# Altium PCB Placa Pot mosfet planar V3.PcbDoc (part 1 of 2) (continued)
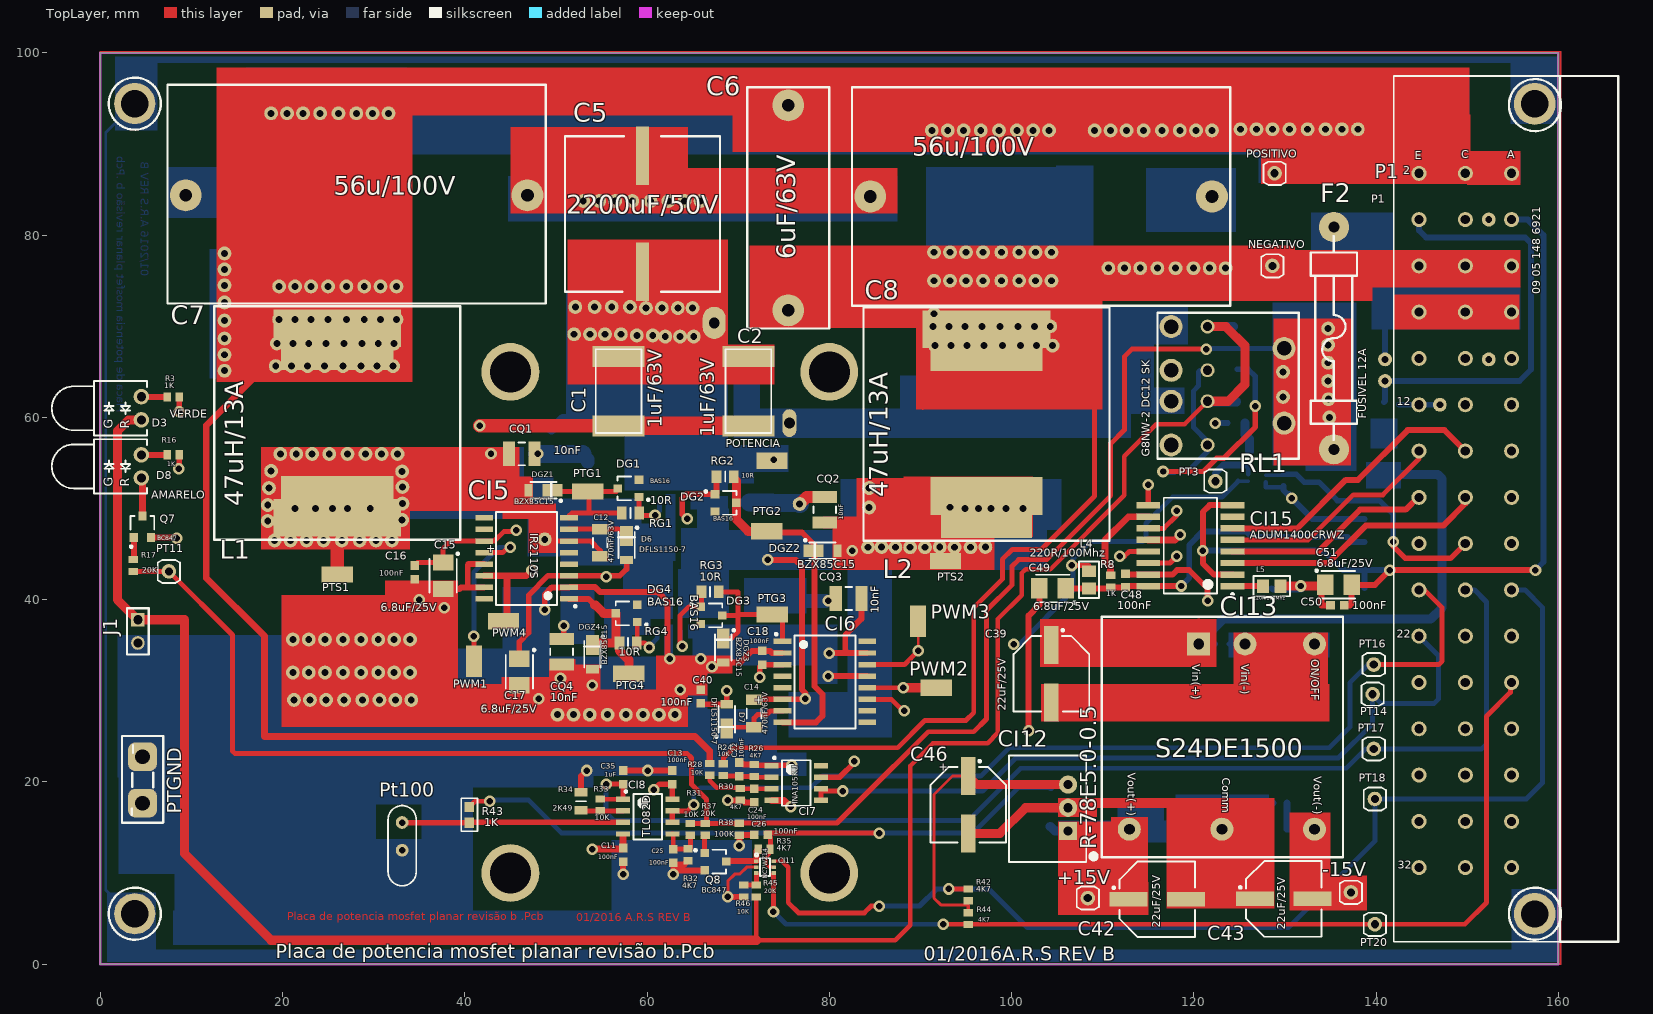
[diagram p0: TopLayer view]
## Components (designator, comment, footprint, x,y, rotation, side; value= is the part's Value field where it differs from the comment) (continued)
PTGND "Teste Point" "TERM FASTON 6.3" 4.625,22.75 r0 top
PTS1 "" "Teste pont" 26,42.75 r0 top
PTS2 "" "Teste pont" 92.75,44.25 r0 top
PWM1 "" "Teste pont" 41,33.25 r90 top
PWM2 "" "Teste pont" 91.75,30.335 r180 top
PWM3 "" "Teste pont" 89.75,37.625 r270 top
PWM4 "" "Teste pont" 44.25,37.625 r0 top
Q1 "SI7898DP" VISHAY-POWERPARK-SO-8-DUAL 63.25,53.375 r90 bottom locked
Q2 "SI7898DP" VISHAY-POWERPARK-SO-8-DUAL 63.025,39.185 r90 bottom locked
Q5 "BC847" SOT-23 124.675,60.55 r180 bottom
Q7 "BC847" SOT-23 4.625,48 r0 top
Q8 "BC847" SOT-23 67.5,11.25 r270 top
R2 "27R" RESC2013X84N 118.855,54 r0 bottom
R3 "1K" RESC1508X63N 8,62.25 r180 top
R6 "4R7" "RESISTOR 4527 2W" 17.125,79.125 r90 bottom
R7 "1K" RESC1508X63N 126.125,55.5 r270 bottom
R8 "1K" RESC1508X63N 110.875,42.025 r90 top (schematic designator R7)
R11 "4R7" "Resistor 4527 2W" 111.5,84.125 r180 bottom
R16 "1K" RESC1508X63N 8,55.895 r0 top
R17 "20K" RESC1508X63N 3.625,43.75 r90 top
R24 "10K" RESC1508X63N 68.375,21.35 r270 top
R26 "4K7" RESC1508X63N 71.75,21.25 r90 top
R28 "10K" RESC1508X63N 66.875,21.375 r270 top
R30 "4K7" RESC1508X63N 70.235,18.625 r270 top
R31 "10K" RESC1508X63N 64.75,14.793 r270 top
R32 "4K7" RESC1508X63N 64.5,12 r270 top
R33 "10K" RESC1508X63N 54.875,17.475 r270 top
R34 "2K49" RESC2013X84N 52.75,17.875 r90 top
R35 "4K7" RESC1508X63N 72.85,12.625 r180 top
R37 "20K" RESC1508X63N 66.375,14.793 r270 top
R38 "100K" RESC1508X63N 70.125,14.8 r90 top
R41 "10K" RESC1508X63N 129.85,53.125 r270 bottom
R42 "4K7" RESC1508X63N 95.25,7.6 r90 top
R43 "1K" "0603 res" 40.5,16.387 r270 top
R44 "4K7" RESC1508X63N 95.25,5 r270 top
R45 "20K" RESC1508X63N 72,8.025 r90 top
R46 "10K" RESC1508X63N 70.625,8.025 r270 top
RG1 "10R" RESC2012X70N 58.175,49.5 r0 top
RG2 "10R" RESC2012X70N 68.575,53.5 r180 top
RG3 "10R" RESC2012X70N 66.925,40.875 r180 top
RG4 "10R" RESC2012X70N 57.925,35.25 r0 top
RL1 "G8NW-2 DC12 SK" "RELAY G8NW" 129.5,66.75 r180 top locked
RQ1 "47R" RESC6331X80N 53.5,57.5 r90 bottom
RQ2 "47R" RESC6331X80N 73.75,53 r90 bottom
RQ3 "47R" RESC6331X80N 75.75,42.25 r90 bottom
RQ4 "47R" RESC6331X80N 54.125,39.5 r0 bottom

## Footprints (in the part's own frame and the unit in brackets; to place one, negate y for a bottom-side part, rotate by r counter-clockwise, add the part's x,y. Pads: shape width x height; smd on the part's side, far side on the other; paste and mask are expansions set on the pad)
"0603 res" [mil]
  rect 45x40 smd: 1(-33.96,0) 2(33.97,0)
  silkscreen extent -71,-35 71,36, body extent -31,-16 31,16, height 17
"0805 ferrit" [mm]
  rect 1.3x1.5 smd: 1(1.9,0) 2(0,0)
  silkscreen extent -1.05,-1.1 2.95,1.1, body extent 0.02,-0.6 2.02,0.6, height 0.95
"Capacito 2824 (7260)" [mm] "Capacitor SMD Polipropileno 1uF/100V case 2824(7260 Metric)"
  rect 2.3x5.7 smd: 1(-3.8,0) 2(3.8,0)
  silkscreen extent -4.6,-2.5 4.6,2.5, body extent -4.12,-2.98 3.07,2.98, height 3.33
"Capacitor B32523" [mm] "Capcitor de polipropileno 6.8uF/100V codigo B32523Q16885K TDK"
  round 3.5 hole 1.4: 1(0,0) 2(22.5,0)
  silkscreen extent -2,-4.5 24.5,4.52, body extent -1.84,-6.21 24.03,5.66, height 23
"Capacitor B32526" [mm] "Capcitor poliprolpileno 56uF/63V codigo B32526T566K  TDK"
  round 3.5 hole 1.4: 1(0,0) 2(37.5,0)
  silkscreen extent -2,-12.12 39.5,11.88, body extent -1.84,-8.91 39.66,9.09, height 32.5
"CAPACITOR ELETROLITICO 18" [mm] "Capacitor de aluminio electrolitico diametro =18 L=19.1 W=19 H=21.5 codigo UCX1V222MNQ1MS"
  rect 1.4x6.4 smd: 1(0,0) 2(0,12.7)
  silkscreen extent -8.5,-2.19 8.5,14.85, body extent -9.5,-3.75 9.5,16.35, height 21.01
CAPAE830X620N [mm] "Capacitor, Aluminium Electrolytric, 8.3mm L X 8.3mm W X 6.2mm H, IPC Medium Density"
  rect 4.15x1.6 smd: 1(-3.15,0) 2(3.15,0)
  silkscreen extent -4.9,-4.15 4.15,4.15, body extent -4.75,-4.25 4.75,4.25, height 6.2
CAPC1608X90N [mm] "Chip Capacitor, Body 1.6x0.8mm IPC Medium Density"
  rect 0.95x0.95 smd: 1(-0.75,0) 2(0.75,0)
  body extent -0.87,-0.47 0.83,0.43, height 0.9
CAPC3216X100N [mm] "Chip Capacitor, Body 3.2x1.6mm, IPC Medium Density"
  rect 1.15x1.8 smd: 1(-1.5,0) 2(1.5,0)
  silkscreen extent -0.55,-0.8 0.55,0.8, body extent -1.7,-0.9 1.7,0.9, height 0.94
CAPC3225X200N [mm] "Chip Capacitor, Body 3.2x2.5mm, IPC Medium Density"
  rect 1.35x2.7 smd: 1(-1.4,0) 2(1.4,0)
  silkscreen extent -0.35,-1.25 0.35,1.25, body extent -1.7,-1.35 1.5,1.35, height 2
CAPMP3528X210N [mm] "Capacitor, Polarized, Molded  Body 3.5x2.8mm, IPC Medium Density"
  rect 1.8x2.25 smd: 1(-1.45,0) 2(1.45,0)
  silkscreen extent -2.52,-1.5 1.85,1.73, body extent -1.85,-1.5 1.85,1.5, height 2.1
COMATEL_332.0600.1.16.541 [mm] "1of 16 \"U\" Pins Strip Terminals Components Support, Pitch 2.54mm"
  round 1.6 hole 0.9: 1(0,0)
  silkscreen extent -1.27,-1.23 1.27,1.23, body extent -1.27,-1.22 1.27,1.23, height 5.7
"conector din eurocard 48" [mm] "Conector eurocard Din 48 pinos codigo 09 05 148 6921 macho"
  round 4.6 hole 3: 33(41.596,-4.669) 34(-47.304,-4.669)
  round 1.65 hole 1: A2(33.976,-2.129) A4(28.896,-2.129) A6(23.816,-2.129) A8(18.736,-2.129) A10(13.656,-2.129) A12(8.576,-2.129) A14(3.496,-2.129) A16(-1.584,-2.129) A18(-6.664,-2.129) A20(-11.744,-2.129) A22(-16.824,-2.129) A24(-21.904,-2.129) A26(-26.984,-2.129) A28(-32.064,-2.129) A30(-37.144,-2.129) A32(-42.224,-2.129) C2(33.976,2.951) C4(28.896,2.951) C6(23.816,2.951) C8(18.736,2.951) C10(13.656,2.951) C12(8.576,2.951) C14(3.496,2.951) C16(-1.584,2.951) C18(-6.664,2.951) C20(-11.744,2.951) C22(-16.824,2.951) C24(-21.904,2.951) C26(-26.984,2.951) C28(-32.064,2.951) C30(-37.144,2.951) C32(-42.224,2.951) E2(33.976,8.031) E4(28.896,8.031) E6(23.816,8.031) E8(18.736,8.031) E10(13.656,8.031) E12(8.576,8.031) E14(3.496,8.031) E16(-1.584,8.031) E18(-6.664,8.031) E20(-11.744,8.031) E22(-16.824,8.031) E24(-21.904,8.031) E26(-26.984,8.031) E28(-32.064,8.031) E30(-37.144,8.031) E32(-42.224,8.031)
  silkscreen extent -50.35,-13.83 44.65,10.8, body extent -50.05,-14.73 43.95,8.37, height 14.05
DIOMELF5025N [mm] "DO-213-AB, MELF Diode, 2-Leads, Body 5.0x2.5mm, IPC Medium Density"
  rect 1.3x2.8 smd: 1(2.35,0) 2(-2.35,0)
  silkscreen extent -1.3,-1.35 1.3,1.35, body extent -2.6,-1.33 2.6,1.34, height 2.67
"FUSIVEL 5X20 PF-B6" [mil]
  round 130 hole 47.24: 1(0,0) 2(0,960)
  silkscreen extent -100,40 100,920, body extent -98,-20 98,980, height 216
FUSR_BOURNS_MF-R_STYLE4 [mm] "PTC Resettable Fuse, MF-R Series, Case style 4"
  round 1.4 hole 0.711: 1(-2.54,0) 2(0.5,0)
  silkscreen extent -4.4,-1.55 4.4,1.55, body extent -4.38,-1.55 4.38,1.55, height 8.3
FUSR_LITTELFUSE_1206L012 [mm] "Surface Mount POLY-FUSE® Resettable PTC, 1206L Series"
  rect 1x1.8 smd: 1(-1.4,0) 2(1.4,0)
  silkscreen extent -0.6,-0.9 0.6,0.9, body extent -1.75,-0.9 1.75,0.9, height 1.45
IHLP-6767GZ#1 [mm] "Indutor SMD de 47uH 10A Vishay"
  rect 4.14x14 smd: 1(-2.512,0) 2(18.288,0)
  rect 4.14x12.32 smd: 1(0,0) 2(15.776,0)
  silkscreen extent -4.91,-13.5 20.69,13.5, body extent -0.92,-8.54 16.26,8.63, height 6.79
IHLP-6767GZ#2 [mm] "Indutor SMD de 47uH 10A Vishay"
  rect 4.14x10 smd: 1(-2.512,0)
  rect 4.14x12.32 smd: 1(0,0) 2(15.776,0)
  rect 4.14x14 smd: 2(18.288,0)
  silkscreen extent -4.91,-13.5 20.69,13.5, body extent -0.92,-8.54 16.26,8.63, height 6.79
JUMP [mm]
  rect 1.5x1.5 hole 1: 1(0,0)
  round 1.5 hole 1: 2(0,-2.54)
  silkscreen extent -1.2,-3.81 1.2,1.27, body extent -1.26,-3.84 1.19,1.24, height 8
L1210R [mm] "Indutor SMD 10uH 1A codigo L1210R100MDWIT Kemet"
  rect 0.524x2.524 smd: 1(0,0) 2(2.66,0)
  body extent -0.23,-1.25 2.97,1.25, height 1.9
LED_DIALIGHT_550-3005F [mm] "Single 5mm Bi-color Red/Green LED, Body 5.84x6.1mm (Square Back Housing), Leads Spacing 2.54mm"
  round 1.7 hole 1: 1(0,-1.27) 2(0,1.27)
  silkscreen extent -9.83,-2.98 0.64,2.98, body extent -9.83,-2.98 0.64,2.98, height 5.97
PAD [mm] "Pad para prender dissipador"
  round 6.34 hole 4.5: 1(0,0)
  body extent -3.17,-3.15 3.17,3.18, height 1.2
"R1SE Series" [mm] "8-SMD Module (5 Leads)"
  rect 1.8x1.2 smd paste-5 mask-5: 1(-5.1,3.81) 2(-5.1,1.27) 4(-5.1,-3.81) 5(5.1,-3.81) 8(5.1,3.81)
  silkscreen extent -6.51,-6.5 5.4,6.5, body extent -5.55,-6.37 5.55,6.38, height 7
"RELAY G8NW" [mm] "Relay 2 contatos High sensitivity 30A OMIRON"
  round 2.524 hole 1.6: 1(-0.411,-0.822) 3(11.989,-3.222) 4(11.989,1.578) 6(-0.411,7.378) 8(11.989,4.978) 9(11.989,9.778)
  round 1.524 hole 1: 2(7.989,-3.222) 5(7.989,1.578) 7(7.989,4.978) 10(7.989,9.778)
  silkscreen extent -2.01,-4.72 13.49,11.28, body extent -1.26,-4.44 12.74,10.96, height 13.5
RESC1508X63N [mm] "Chip Resistor, EIA 0603, Metric 1608, Body 1.5x0.8mm, IPC Medium Density"
  rect 0.8x1.02 smd: 1(-0.65,0) 2(0.65,0)
  body extent -0.76,-0.42 0.76,0.43, height 0.63
RESC2012X70N [mm] "Chip Resistor, EIA 0805, Metric 2012, Body 2.0x1.25mm, IPC Medium Density"
  rect 1.05x1.4 smd: 1(-0.95,0) 2(0.95,0)
  silkscreen extent 0,-0.55 0,0.55, body extent -1.1,-0.67 1.1,0.68, height 0.7
RESC2013X84N [mm] "Chip Resistor, EIA 0805, Metric 2013, Body 2.03x1.27mm, IPC Medium Density"
  rect 0.95x1.45 smd: 1(-1,0) 2(1,0)
  silkscreen extent 0,-0.55 0,0.55, body extent -1.02,-0.63 1.02,0.64, height 0.84
RESC6331X80N [mm] "Chip Resistor, EIA 2512, Metric 6331, 2-Leads, Body 6.3x3.1mm, IPC Medium Density"
  rect 2.45x3.3 smd: 1(-2.4,0) 2(2.4,0)
  silkscreen extent -0.8,-1.55 0.8,1.55, body extent -3.25,-1.65 3.25,1.65, height 0.8
"RESISTOR 4527 2W" [mm] "Resistor smd 4527 3W (L=11.50 W=7.0 H=4.24mm)"
  rect 3.524x5.924 smd: 1(-5.25,0) 2(5.25,0)
  silkscreen extent -7.24,-3.68 7.24,3.56, body extent -6.03,-3.55 6.03,3.55, height 4.48
"Resistor 4527 2W" [mm] "Resistor smd 4527 3W (L=11.50 W=7.0 H=4.24mm)"
  rect 3.524x5.924 smd: 1(-5.25,0) 2(5.25,0)
  silkscreen extent -7.24,-3.68 7.24,3.56, body extent -6.03,-3.55 6.03,3.55, height 4.48
S24DE15001NDFA [mm] "Isolador dc/dc 30W com saida +/-15V"
  rect 2.524x2.524 hole 1.2: 1(0,0)
  round 2.524 hole 1.2: 2(0,5.08) 3(0,12.7) 4(20.32,12.7) 5(20.32,2.54) 6(20.32,-7.62)
  silkscreen extent -3,-10.66 23.4,15.83, body extent -2.29,-10.06 23.11,15.34, height 10.2
SC70-6 [mm] "Encapsualmento SC70 or sot 363"
  rect 0.5x0.4 smd: 1(0,0) 2(0,-0.65) 3(0,-1.3) 4(1.9,-1.3) 5(1.9,-0.65) 6(1.9,0)
  silkscreen extent -0.16,-1.63 1.51,0.85, body extent -0.19,-1.69 2.11,0.41, height 1
SIP3 [mm]
  rect 2x2 hole 1: 1(0,0)
  round 2 hole 1: 2(0,2.54) 3(0,5.08)
  silkscreen extent -6.5,-3.43 3.08,8.25, body extent -5.39,-3.21 2.16,8.29, height 10.25
SOD-123FL [mm] "Small Outline Diode Flat Lead (SOD-123FL), Body; 2.70mm L X 1.65mm W X 1.0mm H"
  rect 0.91x1.4 smd: 1(1.64,0)
  rect 2.2x1.4 smd: 2(-1,0)
  silkscreen extent -2.02,-0.9 1.45,1.28, body extent -1.75,-0.9 1.75,0.9, height 1
SOIC16_Wb [mm]
  rect 2.6x0.7 smd: 1(-4.625,4.445) 2(-4.625,3.175) 3(-4.625,1.905) 4(-4.625,0.635) 5(-4.625,-0.635) 6(-4.625,-1.905) 7(-4.625,-3.175) 8(-4.625,-4.445) 9(4.625,-4.445) 10(4.625,-3.175) 11(4.625,-1.905) 12(4.625,-0.635) 13(4.625,0.635) 14(4.625,1.905) 15(4.625,3.175) 16(4.625,4.445)
  silkscreen extent -4.75,-5.25 2.93,5.47, body extent -5.31,-5.25 5.32,5.25, height 2.67
SOIC127P600X175-8N [mm] "SOIC 8, Pitch 1.27mm - Body 4x5mm, IPC Medium Density"
  rect 1.55x0.6 smd: 1(-2.7,1.905) 2(-2.7,0.635) 3(-2.7,-0.635) 4(-2.7,-1.905) 5(2.7,-1.905) 6(2.7,-0.635) 7(2.7,0.635) 8(2.7,1.905)
  silkscreen extent -2.52,-2.5 1.55,2.88, body extent -3.1,-2.5 3.1,2.5, height 1.75
SOIC127P1031X264-16N [mm] "SOIC, 1.27mm Pitch;16 Pin, 7.49mm W X 10.21mm L X 2.64mm H body, IPC Medium Density"
  rect 1.95x0.6 smd: 1(-4.65,4.445) 2(-4.65,3.175) 3(-4.65,1.905) 4(-4.65,0.635) 5(-4.65,-0.635) 6(-4.65,-1.905) 7(-4.65,-3.175) 8(-4.65,-4.445) 9(4.65,-4.445) 10(4.65,-3.175) 11(4.65,-1.905) 12(4.65,-0.635) 13(4.65,0.635) 14(4.65,1.905) 15(4.65,3.175) 16(4.65,4.445)
  silkscreen extent -5.48,-5.1 3.35,5.37, body extent -5.21,-5.15 5.21,5.15, height 2.65
SOT-23 [mm] "SOT-23; 3 Leads; Body 3.1 x 2.5 mm, inc. leads (LxW max)"
  rect 0.9x0.95 smd: 1(-0.95,-1.175) 2(0.95,-1.175) 3(0,1.175)
  silkscreen extent -1.37,-2.31 1.3,1.18, body extent -1.5,-1.25 1.5,1.25, height 1.09
"TERM FASTON 6.3" [mil]
  rrect50% 124x124 hole 62.99: 1(0,-200) 1(0,0)
  silkscreen extent -88,-285 89,90, body extent -19,-257 20,58, height 418
"Teste pont" [mm] "Ponto de teste  Kesystone codigo 5015"
  rect 3.43x1.78 smd: 1(0,0)
  body extent -1.28,-0.55 1.28,0.45, height 1.5
VISHAY-POWERPARK-SO-8-DUAL [mm] "SOIC, 1.27mm Pitch, 8 Pin, Body 5.89mm W X 4.9mm L X 1.12mm H, PowerPAK® SO-8, (DUAL)"
  rect 1.27x0.61 smd: 1(-2.67,1.905) 2(-2.67,0.635) 3(-2.67,-0.635) 4(-2.67,-1.905) 5(2.67,-1.905) 6(2.67,-0.635) 7(2.67,0.635) 8(2.67,1.905)
  rect 3.81x1.65 smd: D1(0.69,-1.15) D2(0.69,1.15)
  silkscreen extent -2.82,-2.45 1.64,3.05, body extent -3.12,-2.54 3.13,2.54, height 1.12
VISHAY_POWERPAK-SO-8-SINGLE [mm] "SOIC, 1.27mm Pitch, 8 Pin, Body 5.89mm W X 4.9mm L X 1.12mm H, PowerPAK® SO-8, (SINGLE)"
  rect 3.81x3.91 smd: 1(0.69,0)
  rect 1.27x0.61 smd: 1(2.67,-1.905) 1(2.67,-0.635) 1(2.67,0.635) 1(2.67,1.905) 2(-2.67,-1.905) 2(-2.67,-0.635) 2(-2.67,0.635) 2(-2.67,1.905)
  silkscreen extent -2.82,-2.45 1.64,3.05, body extent -3.12,-2.54 3.13,2.54, height 1.12

## Part data
+15V -15V NEGATIVO POSITIVO POTENCIA PT3 PT11 PT14 PT16 PT17 PT18 PT20 PTG1 PTG2 PTG3 PTG4 PTGND PTS1 PTS2 PWM1 PWM2 PWM3 PWM4: library part Teste, "TEST POINT PRINTED CIRCUIT PIN"
C1 C2: library part Cap, "CAP FILM 1UF 63VDC SMD"
C5: library part 94SS337X0010FBP, "CAP ALUM 2200UF 50V 20% RADIAL"
C6: library part Cap, "CAP FILM 6.8UF 63VDC RADIAL"
C7 C8: library part Cap, "CAP FILM 56UF 100VDC RADIAL"
C11 C13 C16 C18 C22 C24 C25 C26 C28 C34 C35 C38 C40 C44 C47 C48 C50: library part CDR01, "CAP CER 0.1UF 50V Y5V 0603"
C12 C14: library part Cap, "CAP FILM 0.47UF 63VDC RADIAL"
C15 C17 C27 C33 C49 C51: library part T492A, "CAP TANT 10UF 25V 20% 1210"
C39 C42 C43 C46: library part T491B, "Solid Tantalum Chip Capacitor, Standard T491 Series - Industrial Grade"
CI5 CI6: "High and Low Side Driver"
CI7: "Precision Unity Gain Differential Amplifier"
CI8: "JFET-Input Operational Amplifier"
CI10: library part SN5417J, "IC BUFFER DUAL NON-INV SC706"
CI11: library part SN5417J, "IC BUFFER DUAL INV SC706"
CI12: "CONV DC/DC 5V 500MA OUT THRU"
CI13: library part "DCDC_TRACO_TEN15WI_Dual Output", "TRACO, TEN15WI Serie, Dual Output DCDC Converter"
CI14: "DC/DC CONVERTER 1W 5VIN 5VOUT"
CI15: "DGTL ISO 2.5KV GEN PURP 16SOIC"
CQ1 CQ2 CQ3 CQ4: library part Cap, "CAP FILM 10000PF 100VDC 1210"
D1: library part "Diode 18TQ045", "DIODE SCHOTTKY 200V 45A TO247"
D2: library part "Diode 1N4007", "1 Amp General Purpose Rectifier"
D3 D8: library part LED0, "Typical INFRARED GaAs LED"
D6 D7: library part "Diode 1N4001", "DIODE SCHOTKY 100V 250MA SOD123F"
DG1 DG2 DG3 DG4: library part "Diode BAS16", "Silicon Switching Diode for High-Speed Switching"
DGZ1 DGZ2 DGZ3 DGZ4: library part "Diode 11DQ03", "Diodo Zener BZX85C15"
DQ1: library part "Diode 1N4001", "DIODE SCHOTKY 150V 1A POWERDI123"
DQ2 DQ3 DQ4: library part "Diode 1N4001", "1 Amp General Purpose Rectifier"
F1 F3: library part "Fuse 1", "FUSE 12A 24V FAST SMD 1206"
F2: library part "FUSIVEL AXIAL 5x20 - 0,1 A (ACAO RAPIDA) PF-B6", "FUSIVEL AXIAL 5x20 - 0,1 A (ACAO RAPIDA) PF-B6"
J1: "Header, 2-Pin"
L1: library part "Inductor Iron", "INDUCTOR FERRITE SMD  47UH 13A"
L2: library part "Inductor Iron", "INDUCTOR FERRITE  47UH 13A"
L3: library part "Inductor With Magnetic core", "Inductor With Magnetic core"
L4 L5: library part "Ferrite Bead 0805", "FERRITE CHIP 220 OHM 0805"
P1: library part "09 05 248 7851", "Eurocard DIN 41612, Type E, 48 Postion, Rows a+c+e, Performance level 3, Female, Lead 11.5 mm, Pitch 5.08 mm"
Pt100: library part Res2, "Resistor PT100"
Q1 Q2: library part SI7938DP, "40V DUAL N CHANNEL POWER TRENCH MOSFET"
Q5 Q7 Q8: "TRANS NPN GP 100MA 45V SOT23"
R2: library part Res2, "RES 27.0 OHM 1/8W 1% 0805 SMD"
R3 R7 R8 R16: library part Res2, "RES 1K OHM 1/8W 1% 0603 SMD"
R6: library part Res2, "RES 4.70 OHM 3W 5% SMD 4122"
R11: library part Res2, "RES 4.70 OHM 3W 5% SMD"
R17: library part Res2, "RES 20KOHM 1/8W 1% 0805 SMD"
R24 R28 R31 R41 R46: library part Res2, "RES 10K OHM 1/8W 1% 0603 SMD"
R26: library part Res2, "RES 4K7OHM 1/8W 1% 0603 SMD"
R30 R32 R35 R42 R44: library part Res2, "RES 4K7 OHM 1/8W 1% 0603 SMD"
R33: library part Res2, "RES 10KOHM 1/8W 1% 0805 SMD"
R34: library part Res2, "RES 2K49 OHM 1/8W 1% 0805 SMD"
R37: library part Res2, "RES 20K OHM 1/8W 1% 0603 SMD"
R38: library part Res2, "RES 100K OHM 1/8W 1% 0603 SMD"
R43: library part Res2, "RES1K OHM 1/8W 1% 0603 SMD"
R45: library part Res2, "RES 20k OHM 1/8W 1% 0603 SMD"
RG1 RG2 RG3 RG4: library part Res2, "RES 10.0 OHM 1/8W 1% 0805 SMD"
RL1: library part "RELAY 2 CON 30A", "RELAY AUTOMOTIVE SPDT 30A 12V"
RQ1 RQ2 RQ3 RQ4: library part Res2, "RES TF 1.5W 47 OHM 10% 2512"

## Free pads (board coordinates)
  round 4.524 hole 3: 0(3.781,5.537) 0(3.781,94.437)
  round 1.524 hole 0.762: 0(141,64) 0(152.375,66.375) 1(152.375,81.711) 2(141,66.375) 3(48.775,46.625) 4(52.125,72.125) 5(54.25,72.125) 6(56.125,72.125) 7(58.125,72.125) 8(59.875,72) 9(61.625,72) 10(63.375,72) 11(65,72) 13(52,69.125) 14(53.75,69.125) 15(55.375,69.125) 16(57.125,69.125) 17(58.875,69) 18(60.625,69) 19(62,68.875) 20(63.625,68.875) 21(65.125,68.875) 24(84.375,52.25) 25(84.375,50.125) 27(84.25,45.75) 28(85.75,45.776) 29(87.25,45.75) 30(88.875,45.75) 31(90.5,45.75) 32(92.125,45.776) 33(93.75,45.75) 34(95.5,45.75) 35(97.125,45.776) 36(93.25,50.14) 37(94.875,50) 38(96.375,50) 39(97.75,50) 40(99.375,50) 41(101.25,50) 42(18.75,54.125) 43(18.5,52.25) 44(18.375,50.375) 45(18.375,48.625) 46(21.375,50) 47(33.125,54.065) 48(33.153,52.375) 49(33.153,50.549) 50(33.125,48.75) 51(29.625,50) 52(23.625,50) 53(25.5,50) 54(27.125,50) 55(13.625,78) 55(18.75,93.375) 55(19.125,46.5) 55(19.25,65.625) 55(19.375,68.125) 55(19.625,70.75) 55(19.625,74.375) 55(19.75,56) 55(34,32) 55(34,35.625) 55(34.125,29) 55(53,83.75) 55(63.05,27.375) 55(91.25,91.5) 55(91.375,70) 55(91.5,75) 55(91.5,78.125) 55(91.625,67.875) 55(109.125,91.5) 55(110.625,76.375) 55(125.125,91.625) 55(129.799,62.25) 56(13.625,76.25) 56(20.5,93.375) 56(20.875,46.5) 56(21,65.625) 56(21.125,68.125) 56(21.375,70.75) 56(21.375,74.375) 56(21.5,56) 56(32.25,32) 56(32.25,35.625) 56(32.375,29) 56(54.75,83.75) 56(61.3,27.375) 56(93,91.5) 56(93.125,70) 56(93.25,75) 56(93.25,78.125) 56(93.375,67.875) 56(110.875,91.5) 56(112.375,76.375) 56(126.875,91.625) 56(129.799,65) 57(13.625,74.5) 57(22.25,93.375) 57(22.625,46.5) 57(22.75,65.625) 57(22.875,68.125) 57(23.125,70.75) 57(23.125,74.375) 57(23.25,56) 57(30.5,32) 57(30.5,35.625) 57(30.625,29) 57(56.5,83.75) 57(59.55,27.375) 57(94.75,91.5) 57(94.875,70) 57(95,75) 57(95,78.125) 57(95.125,67.875) 57(112.625,91.5) 57(114.125,76.375) 57(128.625,91.625) 57(134.875,60) 58(13.625,72.625) 58(24.125,93.375) 58(24.5,46.5) 58(24.625,65.625) 58(24.75,68.125) 58(25,70.75) 58(25,74.375) 58(25.125,56) 58(28.625,32) 58(28.625,35.625) 58(28.75,29) 58(57.675,27.375) 58(58.375,83.75) 58(96.625,91.5) 58(96.75,70) 58(96.875,75) 58(96.875,78.125) 58(97,67.875) 58(114.5,91.5) 58(116,76.375) 58(130.5,91.625) 58(134.75,64) 59(13.625,70.625) 59(26.125,93.375) 59(26.5,46.5) 59(26.625,65.625) 59(26.625,32) 59(26.625,35.625) 59(26.75,29) 59(26.75,68.125) 59(27,70.75) 59(27,74.375) 59(27.125,56) 59(55.675,27.375) 59(60.375,83.75) 59(98.625,91.5) 59(98.75,70) 59(98.875,75) 59(98.875,78.125) 59(99,67.875) 59(116.5,91.5) 59(118,76.375) 59(132.5,91.625) 59(134.75,66) 60(13.625,68.66) 60(24.66,32) 60(24.66,35.625) 60(24.785,29) 60(28.09,93.375) 60(28.465,46.5) 60(28.59,65.625) 60(28.715,68.125) 60(28.965,70.75) 60(28.965,74.375) 60(29.09,56) 60(53.71,27.375) 60(62.34,83.75) 60(100.59,91.5) 60(100.715,70) 60(100.84,75) 60(100.84,78.125) 60(100.965,67.875) 60(118.465,91.5) 60(119.965,76.375) 60(134.465,91.625) 60(134.75,67.965) 61(13.625,66.875) 61(22.875,32) 61(22.875,35.625) 61(23,29) 61(29.875,93.375) 61(30.25,46.5) 61(30.375,65.625) 61(30.5,68.125) 61(30.75,70.75) 61(30.75,74.375) 61(30.875,56) 61(51.925,27.375) 61(64.125,83.75) 61(102.375,91.5) 61(102.5,70) 61(102.625,75) 61(102.625,78.125) 61(102.75,67.875) 61(120.25,91.5) 61(121.75,76.375) 61(134.75,69.75) 61(136.25,91.625) 62(13.625,65.125) 62(21.125,32) 62(21.125,35.625) 62(21.25,29) 62(31.625,93.375) 62(32,46.5) 62(32.125,65.625) 62(32.25,68.125) 62(32.5,70.75) 62(32.5,74.375) 62(32.625,56) 62(50.175,27.375) 62(65.875,83.75) 62(104.125,91.5) 62(104.25,70) 62(104.375,75) 62(104.375,78.125) 62(104.5,67.875) 62(122,91.5) 62(123.5,76.375) 62(134.786,62) 62(138,91.625) 63(91.5,71.375) 64(147,61.391) 66(76.75,50.5)
  oval 2.524x3.524 hole 1.2: 22(67.375,70.375)
  oval 1.524x3.052 hole 1.2: 67(75.625,59.372)

## Via types
v1: diameter 1.27, hole 0.711, TopLayer to BottomLayer, 79 vias

## Nets (pads, with @x,y where several pads share a name; then routed paths per layer and width w, separated by ;. In a path a pad name is that pad's centre, name@x,y a point inside that pad or via, vN(x,y) a via of type N, cw(c..) or ccw(c..) an arc to the next point about the centre after c; other vN are vias at no path point)
+5V: C15.1 C16.1 C26.1 C46.1 C47.1 CI5.11 CI6.11 CI10.5 CI11.5 CI12.3 L4.1 R35.1 R42.1 R43.1 R44.1 | length 176.9
  TopLayer w0.34: R35.1@73.5,12.625 73.5,12.125 73.125,11.75 73.125,10.875 73.35,10.65 CI11.5@73.9,10.65 ; R44.1@95.25,5.65 95.25,6.5 92.25,6.5 91.5,7.25 91.5,18.625 93.525,20.65 C46.1@95.25,20.65
  TopLayer w0.54: C16.1@34.5,43.75 34.825,44.075 C15.1@37.625,44.075 37.625,45.625 38.435,46.435 CI5.11@42.125,46.435 43.25,46.435 44.315,47.5 45.5,47.5 v1(45.625,47.625) ; R43.1@40.5,17.25 41.125,17.875 v1(42.75,17.875) ; R35.1@73.5,12.625 73.55,12.675 73.55,13.884 C26.1@73.25,14.184 73.059,14.375 v1(85.5,14.375) ; CI6.11@84.175,29.065 86.81,29.065 v1@88.375,27.5 ; v1(106.625,43.75) 108.475,43.75 108.5,43.725 L4.1@108.5,43.125 L4.1@108.375,43.25
  TopLayer w1: C46.1@95.25,20.65 96.195,19.705 CI12.3@106.206,19.705
  BottomLayer w0.34: 124.875,53 CI10.5@126,53
  BottomLayer w0.54: v1@42.625,18 47,18 50.595,14.405 85.47,14.405 v1(85.5,14.375) ; v1@85.4,14.25 85.525,14.375 95.755,14.375 100.735,19.355 104.145,19.355 C47.1@104.25,19.25 104.375,19.25 104.83,19.705 CI12.3@106.206,19.705 ; v1@100.125,35.125 v1(100.25,35.125) 100.875,35.125 106.75,41 106.75,44.5 108.625,46.375 114.375,46.375 114.75,46.75 114.75,48.362 117.638,51.25 123.125,51.25 124.875,53
  other v1: 88.25,27.795
+15V: +15V.1 C13.2 C17.1 C18.1 C27.1 C28.1 C40.1 C42.1 C44.1 CI5.3 CI6.3 CI7.7 CI8.8 CI12.1 CI13.6 D2.2 D6.1 D7.1 R2.1 R3.1 R16.2 | length 74.2
  TopLayer w0.6: v1(8.625,54.375) 8.65,54.4 R16.2@8.65,55.895 ; v1(8.65,60.625) R3.1@8.65,62.25 ; C17.1@46,33.5 C17.1@46,33.525 46,35.375 47,36.375 47,40.48 49.145,42.625 CI5.3@51.425,42.625 55.25,42.625 v1@55.25,42.375 ; v1@55.625,42.625 57.02,42.625 57.75,43.355 D6.1@57.75,44.36 ; v1(60.75,19.125) 61.375,19.75 C13.2@62.75,19.75 62.75,18.119 CI8.8@62.775,18.094 ; C40.1@65.75,28.5 65.765,28.515 D7.1@68.75,28.515 v1(68.75,30) ; v1(72.375,31.5) 72.375,32.625 C18.1@72.625,32.875 CI6.3@74.875,32.875 ; CI7.7@79.075,20.51 81.135,20.51 v1@82.813,22.188 ; +15V.1@108.375,7.25 108.5,7.125 C42.1@112.85,7.125 ; v1(116.625,54.065) 121.065,54.065 122.5,55.5 123.275,55.5 126.75,58.975 v1(126.75,61.25)
  BottomLayer w0.6: CI13.6@112.925,14.805 112.98,14.75 C27.1@116.1,14.75 C27.1@116.25,14.9 ; v1(116.625,54.065) 116.69,54 R2.1@117.855,54 ; D2.2@124.75,65.275 125.975,65.275 126.75,64.5 v1(126.75,61.25)
  BottomLayer w1: C44.1@104.25,15.125 104.75,14.625 CI12.1@106.206,14.625 ; C27.1@116.25,14.9 C28.1@116.25,17.75
  other v1: 82.75,22.25 55.5,42.5
"+15V POTENCIA": F1.2 F2.2 P1.A8 P1.C8 P1.E8 pad.2 | length 3.6
  BottomLayer w0.65: pad.2@141,66.125 pad.2@141,66.375 141,69.75
-15V: -15V.1 C11.1 C33.2 C34.2 C43.2 CI7.4 CI8.4 CI13.4 | length 17.6
  TopLayer w0.754: v1(54,12.625) 57.25,12.625 C11.1@57.375,12.75 CI8.4@57.375,14.093 ; CI7.4@73.675,17.97 75.03,17.97 v1(75.75,17.25) ; C43.2@133.025,7.165 136.54,7.165 -15V.1@137.25,7.875
  BottomLayer w0.754: C34.2@130.25,17.67 130.25,14.855 C33.2@130.2,14.805 CI13.4@133.245,14.805
DC_LINK: CI8.6 CI8.7 P1.E20 PT16.1 | length 105.4
  TopLayer w0.54: CI8.7@62.775,16.824 64.449,16.824 v1(65.125,17.5) ; PT16.1@139.75,32.875 146.875,32.875 147.25,33.25 147.25,39.125 145.304,41.071 P1.E20@144.719,41.071
  TopLayer w0.6: CI8.6@62.775,15.554 CI8.7@62.775,16.824
  BottomLayer w0.54: v1(65.125,17.5) 65.125,18.625 65.855,19.355 77.98,19.355 79.25,20.625 96.625,20.625 99.75,23.75 134.875,23.75 137.125,26 137.125,30.875 139.125,32.875 PT16.1@139.75,32.875 PT16.1@139.875,32.875
"DC_LINK  LIGADA": CI11.4 P1.A24 PT20.1 R44.2 | length 109.3
  TopLayer w0.54: v1(73.875,5.75) 73.875,8.725 73.85,8.75 73.9,8.8 CI11.4@73.9,9.875 ; v1(92.5,4.375) PT20.1@139.875,4.375 149.75,4.375 152.125,6.75 152.125,27.196 154.75,29.821 154.75,30.782 P1.A24@154.879,30.911
  BottomLayer w0.54: v1(73.875,5.75) 75.25,4.375 v1(92.5,4.375)
"ENTRADA 15 FONTE": F3.1 P1.E4 P1.E12 pad.0@141,64 pad.64 | length 51.3
  BottomLayer w0.65: F3.1@140.875,61.675 141,61.8 141,63.875 141.125,64 155.75,64 157,65.25 157,79.125 156.375,79.75 145.5,79.75 144.719,80.531 P1.E4@144.719,81.711 ; 142.5,61.391 P1.E12@144.719,61.391 146.859,61.391 pad.64@147,61.25
FUSIVEL: F1.1 F2.1 pad.55@129.799,62.25 pad.56@129.799,65 pad.57@134.875,60 pad.58@134.75,64 pad.59@134.75,66 pad.60@134.75,67.965 pad.61@134.75,69.75 pad.62@134.786,62 PT11.1 R17.1 R31.1 R37.1 R38.2 RL1.1 RL1.6 | length 188.1
  TopLayer w0.54: R17.1@3.625,43.1 PT11.1@7.525,43.1 14.5,36.125 14.5,23.375 14.75,23.125 64.375,23.125 64.875,22.625 64.875,19.737 66.53,18.082 66.53,15.598 R37.1@66.382,15.45 ; R31.1@64.75,15.443 R37.1@66.375,15.443 R37.1@66.382,15.45 ; v1(121.375,67.5) 113.2,67.5 112.375,66.675 112.375,58.625 110.875,57.125 110.875,51.401 103.874,44.4 100.775,44.4 100.062,43.687 100.062,41.63 97.25,38.817 97.25,26.9 95.85,25.5 90.875,25.5 87.125,21.75 87.1,21.75 80.845,15.495 70.17,15.495 R38.2@70.125,15.45 R37.1@66.382,15.45
  BottomLayer w0.54: v1(121.375,67.5) 121.447,67.572 RL1.1@129.911,67.572
GND: C1.2 C2.2 C5.2 C7.1 C8.2 C11.2 C13.1 C15.2 C16.2 C17.2 C18.2 C22.1 C24.2 C25.2 C26.2 C27.2 C28.2 C33.1 C34.1 C35.2 C40.2 C42.2 C43.1 C44.2 C46.2 C47.2 C48.2 C49.2 CI5.2 CI5.13 CI5.15 CI6.2 CI6.13 CI6.15 CI7.1 CI10.2 CI10.3 CI11.2 CI12.2 CI13.5 CI14.1 CI15.9 CI15.15 CQ3.1 CQ4.1 DGZ3.1 DGZ4.1 J1.2 P1.A10 P1.C10 pad.0@152.375,66.375 pad.55@34,32 pad.55@34,35.625 pad.55@34.125,29 pad.55@53,83.75 pad.55@63.05,27.375 pad.56@32.25,32 pad.56@32.25,35.625 pad.56@32.375,29 pad.56@54.75,83.75 pad.56@61.3,27.375 pad.57@30.5,32 pad.57@30.5,35.625 pad.57@30.625,29 pad.57@56.5,83.75 pad.57@59.55,27.375 pad.58@28.75,29 pad.58@28.625,32 pad.58@28.625,35.625 pad.58@57.675,27.375 pad.58@58.375,83.75 pad.59@26.75,29 pad.59@26.625,32 pad.59@26.625,35.625 pad.59@55.675,27.375 pad.59@60.375,83.75 pad.60@24.66,32 pad.60@24.66,35.625 pad.60@24.785,29 pad.60@53.71,27.375 pad.60@62.34,83.75 pad.61@22.875,32 pad.61@22.875,35.625 pad.61@23,29 pad.61@51.925,27.375 pad.61@64.125,83.75 pad.62@21.25,29 pad.62@21.125,32 pad.62@21.125,35.625 pad.62@50.175,27.375 pad.62@65.875,83.75 Pt100.2 PTGND.1 Q2.1 Q2.3 Q5.2 Q7.2 Q8.2 R26.2 R30.2 R32.2 R34.2 R38.1 R41.2 R46.2 | length 233
  TopLayer w0.34: v1(68.875,7.375) 68.875,9.125 69.625,9.875 70.155,9.875 70.93,10.65 CI11.2@72,10.65
  TopLayer w0.65: Q7.2@5.575,46.825 8.3,46.825 v1(8.375,46.75) ; C16.2@34.5,42.25 34.5,41 ; v1(35,40) 35,40.5 34.5,41 ; v1(37.75,39.125) 37.625,39.25 C15.2@37.625,41.175 ; CI5.15@42.125,41.355 40.25,41.355 ; CI5.13@42.125,43.895 40.395,43.895 40.325,43.825 40.325,41.43 40.25,41.355 ; C17.2@46,30.625 46,29.44 46.315,29.125 v1(48.125,29.125) ; v1(48.775,38.875) 48.775,40.575 49.555,41.355 CI5.2@51.425,41.355 51.48,41.41 54.265,41.41 54.855,40.82 61.23,40.82 62.25,39.8 62.25,33.75 v1(62.5,33.5) ; v1(50.5,31.375) 50.625,31.5 CQ4.1@50.625,32.875 ; R34.2@52.75,18.875 52.75,20.625 v1(53.375,21.25) ; v1(54,30.625) DGZ4.1@54,32.375 ; v1(57.375,9.875) C11.2@57.375,11.25 ; C35.2@57.375,21.25 v1(60.062,21.25) C13.1@62.75,21.25 ; v1(63.625,30.125) C40.2@65.875,30.125 ; R32.2@64.5,11.35 64.1,10.95 63.05,10.95 C25.2@62.875,11.125 62.875,10.25 62.925,10.3 Q8.2@66.325,10.3 ; v1(67.125,32.625) 67.25,32.75 68.015,32.75 DGZ3.1@68.375,33.11 70.235,33.11 71.5,34.375 C18.2@72.625,34.375 73.473,34.375 73.703,34.145 CI6.2@74.875,34.145 ; v1(68.875,7.375) R46.2@70.625,7.375 ; v1(68.875,17.97) 68.88,17.975 70.5,17.975 70.725,17.75 C24.2@71.75,17.75 ; C22.1@70,22.025 70.475,22.025 70.575,21.925 71.725,21.925 R26.2@71.75,21.9 71.825,21.825 CI7.1@73.63,21.825 ; v1(70.125,13) R38.1@70.125,14.15 70.159,14.184 C26.2@71.75,14.184 ; CI7.1@73.72,21.825 v1(75.875,21.825) ; v1(79.875,31.605) CI6.13@84.175,31.605 ; v1(80,34.125) 80.02,34.145 82,34.145 ; 81.75,34.395 82,34.145 ; 81.75,34.42 81.75,36.125 83.525,37.9 CQ3.1@83.525,40.125 ; CI6.15@84.175,34.145 82,34.145 ; v1@101.875,25.831 101.875,38.25 103.05,39.425 C49.2@103.05,41.225 ; C48.2@112.5,42.855 112.605,42.75 CI15.15@115,42.75 117.674,42.75 118.174,43.25 119.48,43.25 121.511,41.219 v1(121.511,39.886) ; CI15.9@115,50.37 v1(115,52.625) ; C42.2@119.15,7.125 119.19,7.165 123.125,7.165 ; CI13.5@123.085,14.805 123.085,7.205 123.125,7.165 ; C43.1@126.725,7.165 123.125,7.165 ; 34.5,41 37.45,41 C15.2@37.625,41.175 ; C15.2@37.625,41.175 39.425,41.175 39.605,41.355 40.25,41.355
  TopLayer w1: C46.2@95.25,14.35 98.725,14.35 101.54,17.165 CI12.2@106.206,17.165
  TopLayer w1.5: v1(41.625,59.075) C1.2@56.875,59.075
  TopLayer w2: C1.2@56.875,59.075 C2.2@71.125,59.075
  BottomLayer w0.5: CI10.3@127.9,52.35 129.725,52.35 R41.2@129.85,52.475 ; CI10.3@127.9,52.525 CI10.2@127.9,52.875
  BottomLayer w0.65: 104.25,17.125 104.29,17.165 ; C28.2@117.75,17.75 122.42,17.75 123.085,17.085 CI13.5@123.085,14.805 ; C27.2@119,14.75 123.03,14.75 CI13.5@123.085,14.805 ; v1(122.375,59.372) 122.378,59.375 Q5.2@123.725,59.375 ; C34.1@128.75,17.67 127.17,17.67 127.17,14.935 C33.1@127.3,14.805 CI13.5@123.085,14.805 ; R41.2@129.85,52.475 129.85,52.025 130.275,51.6 ; v1@130.436,51.6 130.275,51.6 ; CI14.1@138.75,48.87 133.005,48.87 v1(130.75,51.125) 130.275,51.6
  BottomLayer w1: 104.29,17.165 CI12.2@106.206,17.165
  other v1: 62.875,9.875 101.875,25.625 65.875,33.5
GND_1: C38.2 C39.2 CI13.2 CI13.3 P1.C4 pad.1 | length 1.8
  BottomLayer w0.54: C38.2@123.835,35.125 CI13.2@125.625,35.125
GND_ISOLADO: C50.2 C51.2 CI14.4 CI15.2 CI15.8 P1.A4 | length 101.4
  TopLayer w0.65: CI15.2@124.25,42.75 122.225,42.75 121,43.975 v1(121,45.375) 121,49.625 121.745,50.37 CI15.8@124.25,50.37 ; C50.2@136.5,39.375 137.125,39.375 137.325,39.575 C51.2@137.325,41.63 139.88,41.63 v1(141.5,43.25) v1(157.5,43.25)
  BottomLayer w0.65: v1(121,45.375) 134.25,45.375 136.375,43.25 138.475,43.25 138.75,42.975 CI14.4@138.75,41.25 ; 138.625,43.25 v1(141.5,43.25) ; P1.A4@154.879,81.711 156.664,81.711 158.375,80 158.375,44.125 v1(157.5,43.25)
GND_MASSA: P1.33 P1.34 pad.0@3.781,5.537 pad.0@3.781,94.437 | length 91.9
  BottomLayer w0.3: pad.0@3.781,5.537 3.213,5.537 0.597,8.153 0.597,91.253 pad.0@3.781,94.437
"INTERLOCK DC_LINK": CI11.3 R45.2 R46.1 | length 2.6
  TopLayer w0.54: R46.1@70.625,8.675 R45.2@72,8.675 CI11.3@72,9.875
LIGA_POTENCIA: CI10.1 P1.C18 R41.1 | length 28.7
  TopLayer w0.6: v1(141.875,46.375) 141.875,45.875 143.224,44.526 148.174,44.526 P1.C18@149.799,46.151 P1.C18@149.526,46.151
  BottomLayer w0.4: CI10.1@127.9,53.65 R41.1@129.85,53.65
  BottomLayer w0.6: R41.1@129.85,53.775 131.225,53.775 132.1,52.9 133.725,52.9 135.75,50.875 140.375,50.875 141.875,49.375 v1(141.875,46.375)
"MEDIDA TENSAO CARGA": CI7.5 CI7.6 P1.E22 PT14.1 | length 83.9
  TopLayer w0.54: CI7.5@79.075,17.97 CI7.6@79.075,19.24 79.315,19 v1(81.5,19) ; PT14.1@139.625,29.625 PT14.1@139.75,29.625
  BottomLayer w0.54: v1(81.5,19) 96.84,19 100.465,22.625 135.875,22.625 139.625,26.375 PT14.1@139.625,29.5 ; PT14.1@139.625,29.625 PT14.1@139.625,29.5 ; P1.E22@144.719,35.991 146.835,33.875 146.835,29.085 146.375,28.625 140.5,28.625 PT14.1@139.625,29.5
NetC1_1: C1.1 C2.1 C5.1 D1.1 DQ1.1 DQ2.1 pad.4 pad.5 pad.6 pad.7 pad.8 pad.9 pad.10 pad.11 pad.13 pad.14 pad.15 pad.16 pad.17 pad.18 pad.19 pad.20 pad.21 pad.22 POTENCIA.1 Q1.5 Q1.6 Q1.7 Q1.8 RQ1.2 RQ2.2 | length 4.5
  BottomLayer w0.254: DQ1.1@49.5,58.64 DQ1.1@49.515,58.64
  BottomLayer w1: DQ1.1@49.515,58.64 50.775,59.9 RQ1.2@53.5,59.9
  other v1: 73.9,55.375
NetC3_1: F3.2 L3.1
NetC7_2: C7.2 R6.2
NetC8_1: C8.1 R11.1
NetC12_1: C12.1 CI5.7 D6.2 | length 6.7
  TopLayer w0.54: CI5.7@51.425,47.705 51.47,47.75 C12.1@54.875,47.75 56.83,47.75 57.58,47 D6.2@57.75,47